# KiCad board CDJ-MainBoard.kicad_pcb (continued)
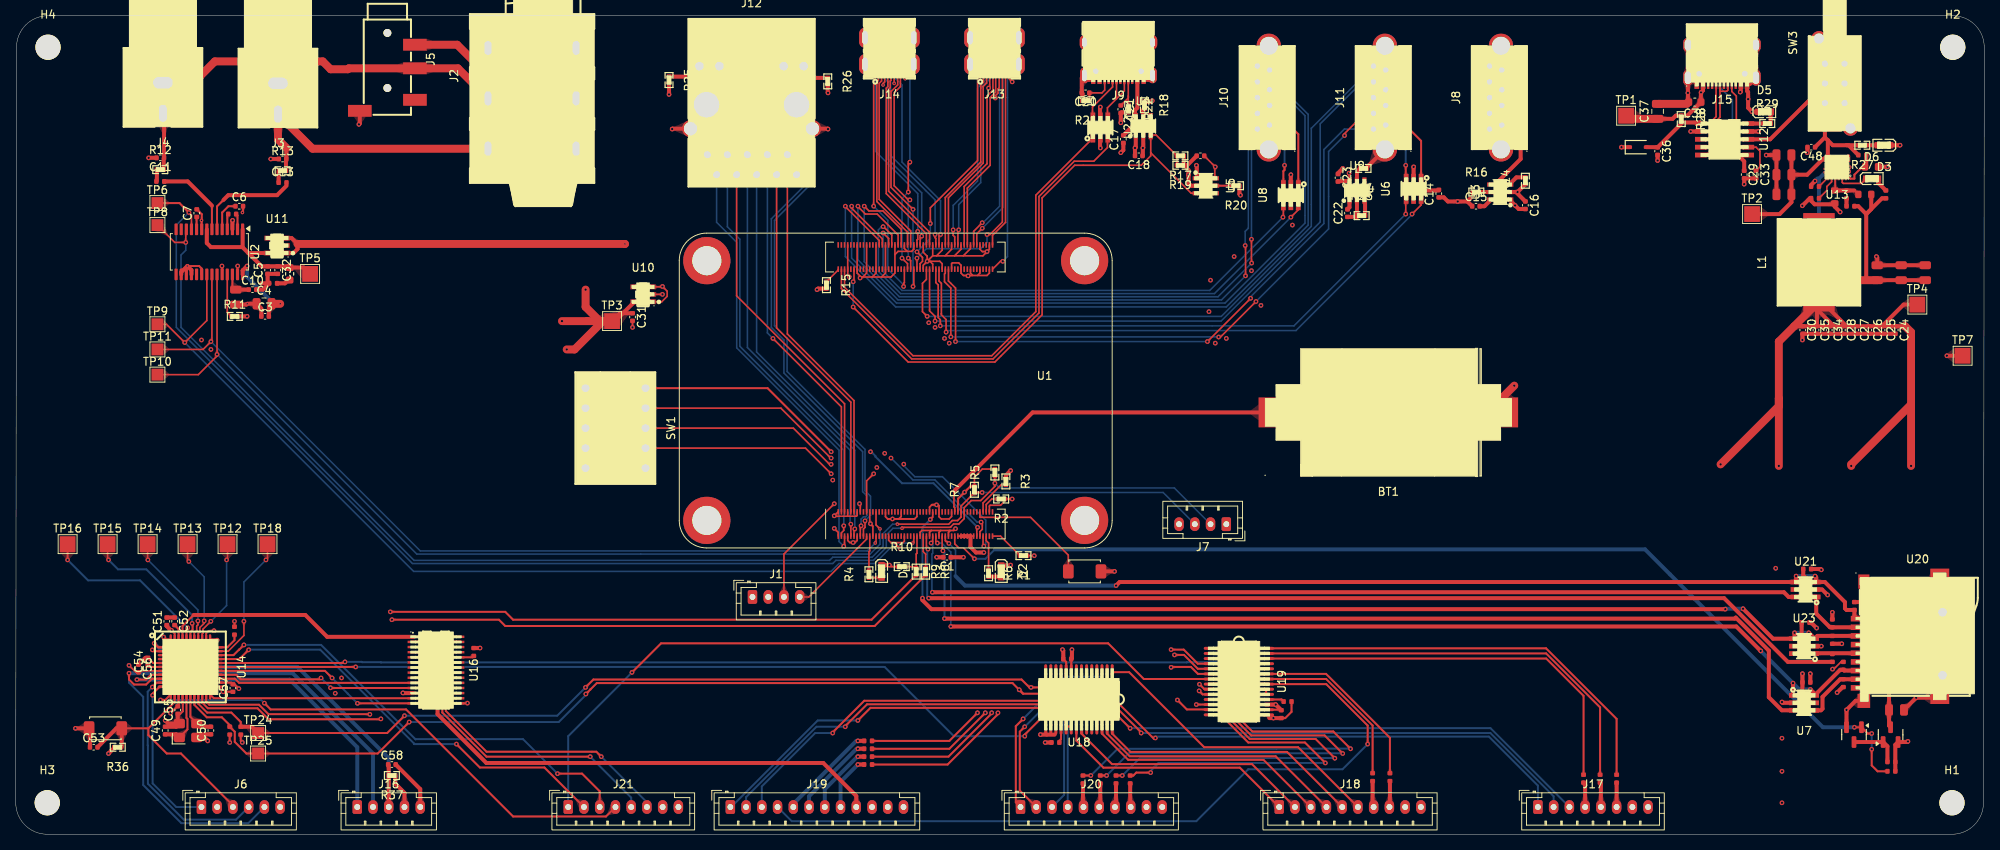
[diagram p0: board, top side]
## Routing (per net, layer and track width the routed paths; a pad name or vN(x,y) marks a point on that pad's centre or on a via; arc(x,y) is an arc through that point) (continued)
Net-(U19-GPB5): length 48.3
  Top w0.25: U19.6 150.2,20.38 149.31,21.26 146.84,21.26 v1(146.79,21.21) ; R68.2 118.5,9.86 123.99,15.35 v1(123.99,15.43)
  In1.Cu w0.25: v1(123.99,15.43) 123.99,15.52 124.93,16.46 142.04,16.46 v1(146.79,21.21)
Net-(U19-RESET#): length 2.3
  Top w0.25: U19.18 160.83,17.12 R55.1

## Copper pours and planes (outline as drawn; the poured copper is in the pictures)
+3.3V on In2.Cu: 219.2,37.6 251,37.8 251.6,-1 219.6,-1.2
+3.3V on In2.Cu: -9.4,114.2 74.8,113.8 104.6,113.6 104.4,81.4 76,81.2 75.76,33.8 -9.2,33.4
+5V on In2.Cu: -7.15,111.55 195.35,111.55 195.85,58.05 258.1,58.05 258.4,-7.55 -7.85,-10.05
GND on Bottom: -4.9,108.8 254.6,108.8 256.5,-5.2 -6.5,-7.2
GND on In1.Cu: -1.4,106.3 253.1,106.8 253.8,-2.9 -3.7,-4.9 -2.9,106.3 -2.4,106.8
GND on In2.Cu: 202.1,101.05 202.1,64.05 246.35,64.07 246.1,101.05

Small or netless copper shapes (teardrops, artwork), in the pictures only: 1027 on Top, 224 on Bottom, 18 on In1.Cu, 16 on In2.Cu
